# KiCad board q2.kicad_pcb
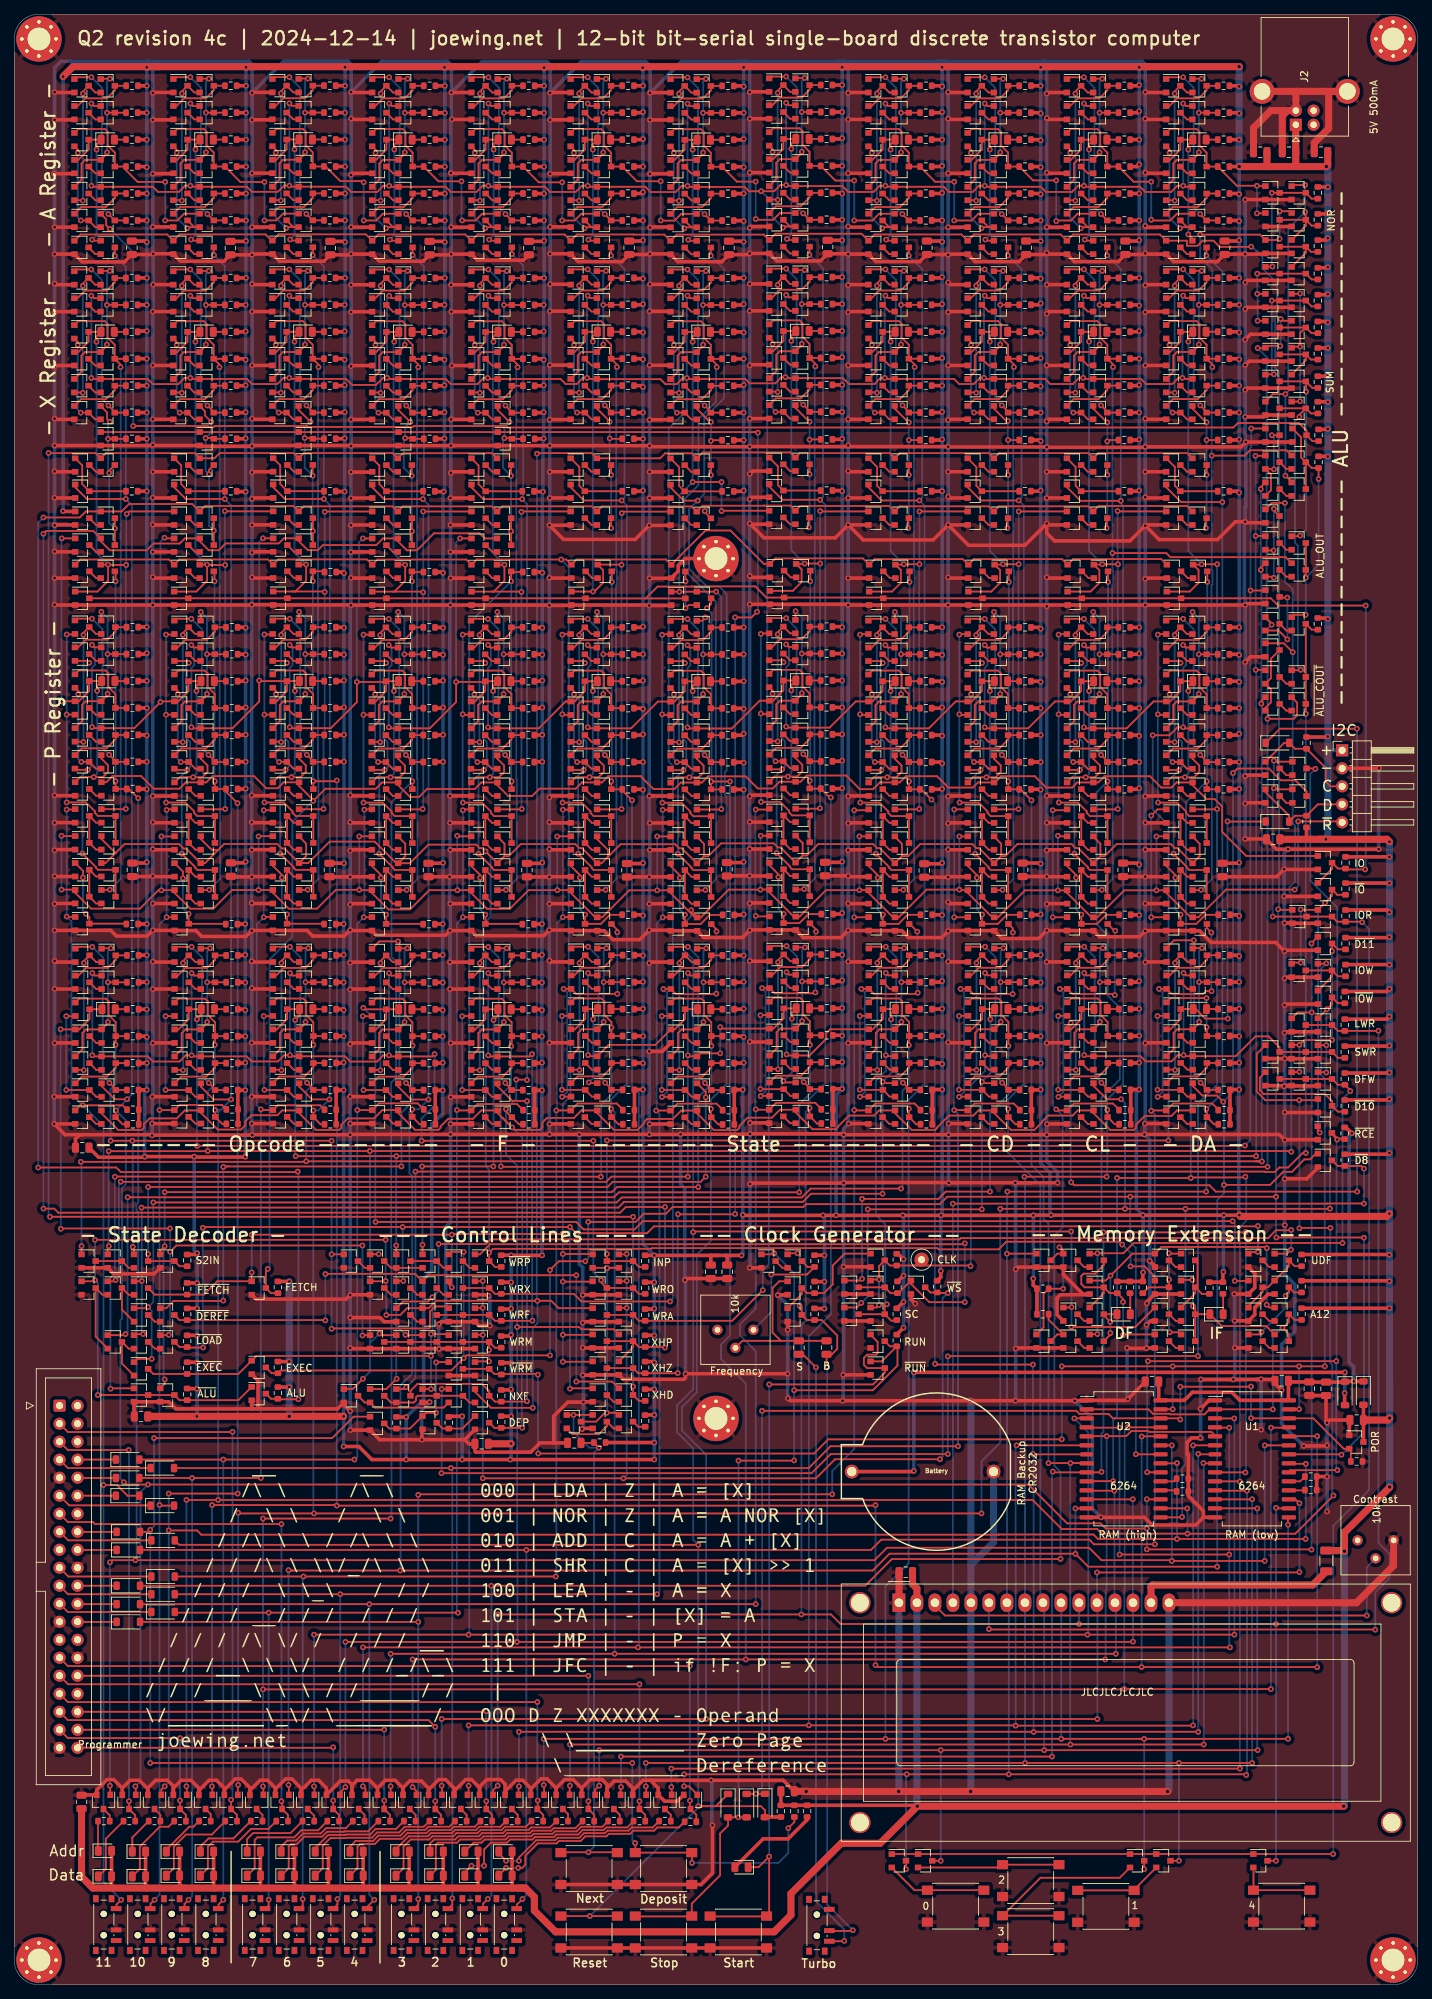
[diagram p0: board, top side]
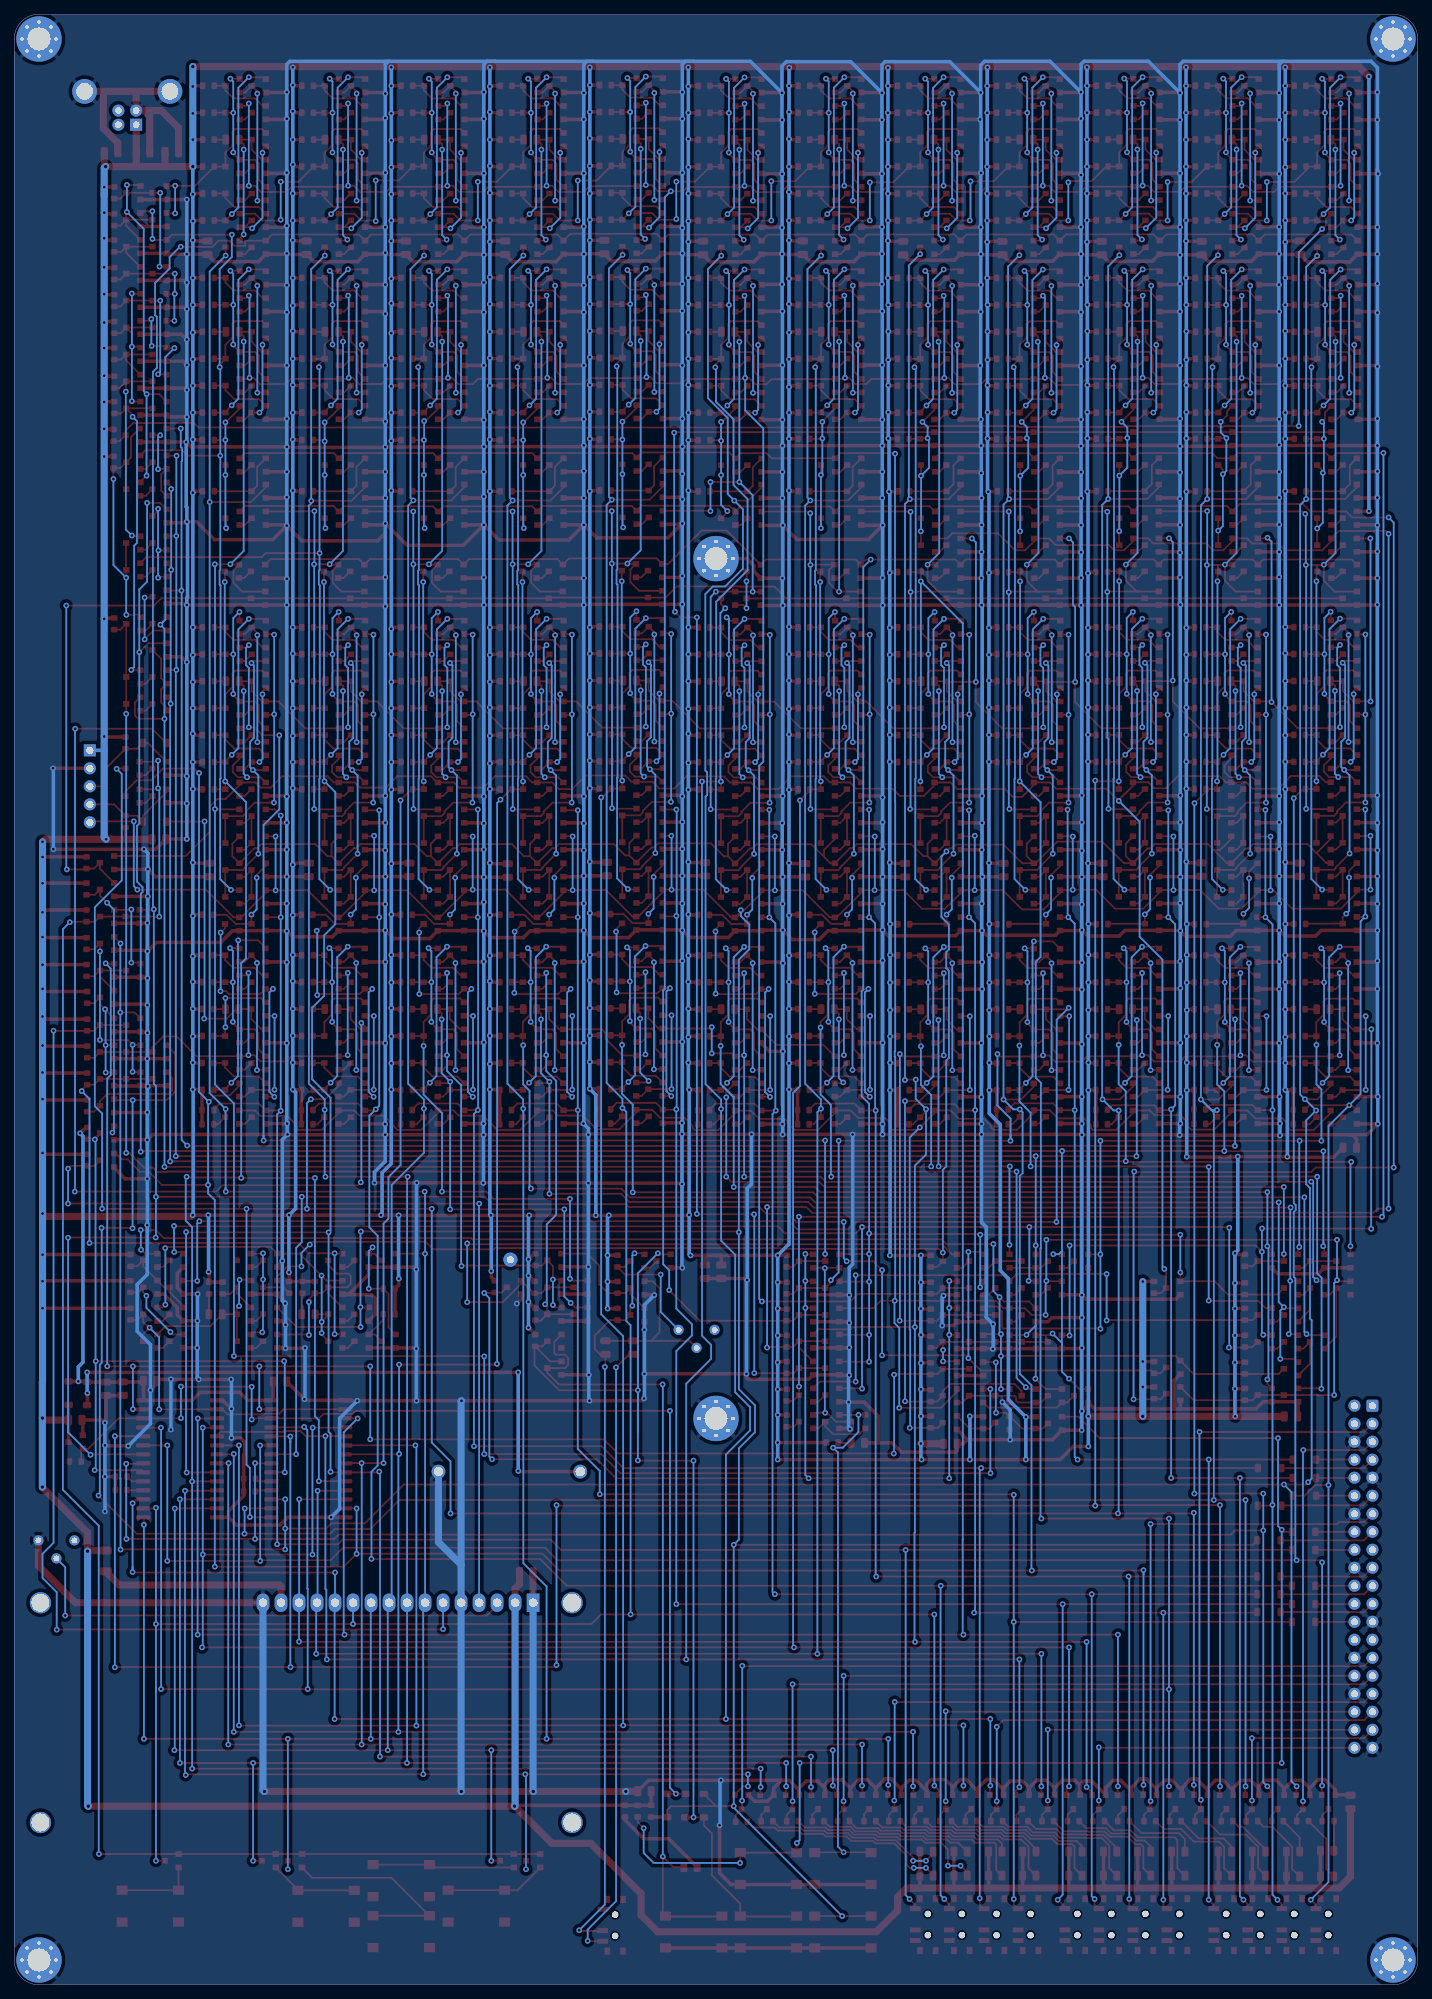
[diagram p1: board, bottom side, seen from below]

Outline 198 x 278 mm; copper layers: Top, Bottom. Coordinates in mm from the lower left corner of the outline.
Outline path: 0,274.5 arc(1.03,276.97) 3.5,278 194.5,278 arc(196.97,276.97) 198,274.5 198,3.5 arc(196.97,1.03) 194.5,0 3.5,0 arc(1.03,1.03) 0,3.5 0,274.5
Stack: Top 0.035mm / dielectric 1.51mm FR4 er 4.5 / Bottom 0.035mm

## Placement (name value [footprint] x y rotation side)
BT1  Battery  [BATTCOM_20MM_PTH]  130 72.4 180 top
C1  0.1u  [C_0805_2012Metric]  16.6 245.05 270 top
C2  0.1u  [C_0805_2012Metric]  30.5 245 270 top
C3  0.1u  [C_0805_2012Metric]  44.6 245 270 top
C4  0.1u  [C_0805_2012Metric]  58.6 245 270 top
C5  0.1u  [C_0805_2012Metric]  72.6 245 270 top
C6  0.1u  [C_0805_2012Metric]  114.75 245.15 270 top
C7  0.1u  [C_0805_2012Metric]  128.75 245.05 270 top
C8  0.1u  [C_0805_2012Metric]  156.75 245.05 270 top
C9  0.1u  [C_0805_2012Metric]  170.75 245.05 270 top
C10  1u  [C_0805_2012Metric]  110.7 89.9 270 top
C11  470p  [C_0805_2012Metric]  114.6 89.9 270 top
C12  0.1u  [C_0805_2012Metric]  160.5 85.1 0 top
C13  0.1u  [C_0805_2012Metric]  178.8 85.2 0 top
C14  1u  [C_0805_2012Metric]  182.69 84.1 90 top
C15  0.1u  [C_0805_2012Metric]  189.38 79.67 0 top
C16  0.1u  [C_0805_2012Metric]  79 76.45 0 top
C17  0.1u  [C_0805_2012Metric]  142.75 245.05 270 top
C18  1u  [C_0805_2012Metric]  9.5 25.8 270 top
C19  1u  [C_0805_2012Metric]  175.77 258.53 0 top
C20  1u  [C_0805_2012Metric]  9.6 118.1 0 top
C21  1u  [C_0805_2012Metric]  109.1 27.3 180 top
C22  0.1u  [C_0805_2012Metric]  100.83 245.03 270 top
C23  0.1u  [C_0805_2012Metric]  86.75 245.05 270 top
C24  470p  [C_0805_2012Metric]  100.58 100.59 90 top
C25  0.1u  [C_0805_2012Metric]  179.83 258.53 180 top
C26  1u  [C_0805_2012Metric]  98.26 100.59 90 top
C27  10u  [C_0805_2012Metric]  184.34 258.54 0 top
C28  0.1u  [C_0805_2012Metric]  125.77 58.21 180 top
C29  1u  [C_0805_2012Metric]  177.6 161.6 0 top
C30  0.1u  [C_0805_2012Metric]  16.67 157.3 270 top
C31  0.1u  [C_0805_2012Metric]  30.57 157.33 270 top
C32  0.1u  [C_0805_2012Metric]  44.47 157.27 270 top
C33  0.1u  [C_0805_2012Metric]  58.44 157.27 270 top
C34  0.1u  [C_0805_2012Metric]  72.33 157.25 270 top
C35  0.1u  [C_0805_2012Metric]  114.38 157.4 270 top
C36  0.1u  [C_0805_2012Metric]  128.38 157.2 270 top
C37  0.1u  [C_0805_2012Metric]  156.43 157.29 270 top
C38  0.1u  [C_0805_2012Metric]  170.43 157.27 270 top
C39  0.1u  [C_0805_2012Metric]  142.26 157.3 270 top
C40  0.1u  [C_0805_2012Metric]  100.54 157.37 270 top
C41  0.1u  [C_0805_2012Metric]  86.44 157.23 270 top
C42  0.1u  [C_0805_2012Metric]  17.9 80.18 180 top
C43  0.1u  [C_0805_2012Metric]  65.94 76.32 180 top
C44  0.1u  [C_0805_2012Metric]  185.05 84.08 90 top
D1  Yellow  [LED_0805_2012Metric]  13.2 260.3 0 top
D2  Yellow  [LED_0805_2012Metric]  13.18 233.19 0 top
D3  Yellow  [LED_0805_2012Metric]  13.27 183.93 0 top
D4  Yellow  [LED_0805_2012Metric]  13.32 137.63 0 top
D5  Yellow  [LED_0805_2012Metric]  27.15 260.31 0 top
D6  Yellow  [LED_0805_2012Metric]  27.14 233.19 0 top
D7  Yellow  [LED_0805_2012Metric]  27.29 183.91 0 top
D8  Yellow  [LED_0805_2012Metric]  27.33 137.62 0 top
D9  Yellow  [LED_0805_2012Metric]  41.12 260.32 0 top
D10  Yellow  [LED_0805_2012Metric]  41.11 233.2 0 top
D11  Yellow  [LED_0805_2012Metric]  41.16 183.92 0 top
D12  Yellow  [LED_0805_2012Metric]  41.19 137.63 0 top
D13  Yellow  [LED_0805_2012Metric]  55.2 260.3 0 top
D14  Yellow  [LED_0805_2012Metric]  55.19 233.18 0 top
D15  Yellow  [LED_0805_2012Metric]  55.14 183.9 0 top
D16  Yellow  [LED_0805_2012Metric]  55.17 137.62 0 top
D17  Yellow  [LED_0805_2012Metric]  69.2 260.3 0 top
D18  Yellow  [LED_0805_2012Metric]  69.19 233.18 0 top
D19  Yellow  [LED_0805_2012Metric]  69.14 183.9 0 top
D20  Yellow  [LED_0805_2012Metric]  69.17 137.62 0 top
D21  Yellow  [LED_0805_2012Metric]  111.2 260.4 0 top
D22  Yellow  [LED_0805_2012Metric]  111.2 184 0 top
D23  Yellow  [LED_0805_2012Metric]  111.2 233.3 0 top
D24  Yellow  [LED_0805_2012Metric]  111.25 137.75 0 top
D25  Yellow  [LED_0805_2012Metric]  125.2 260.3 0 top
D26  Yellow  [LED_0805_2012Metric]  125.2 183.9 0 top
D27  Yellow  [LED_0805_2012Metric]  125.2 233.2 0 top
D28  Yellow  [LED_0805_2012Metric]  125.25 137.65 0 top
D29  Yellow  [LED_0805_2012Metric]  153.2 260.3 0 top
D30  Yellow  [LED_0805_2012Metric]  153.2 183.9 0 top
D31  Yellow  [LED_0805_2012Metric]  153.2 233.2 0 top
D32  Yellow  [LED_0805_2012Metric]  153.25 137.65 0 top
D33  Yellow  [LED_0805_2012Metric]  167.2 260.3 0 top
D34  Yellow  [LED_0805_2012Metric]  167.2 183.9 0 top
D35  Yellow  [LED_0805_2012Metric]  167.2 233.2 0 top
D36  Yellow  [LED_0805_2012Metric]  167.25 137.65 0 top
D37  Yellow  [LED_0805_2012Metric]  102.6 16.6 180 top
D38  BAT43W  [D_SOD-123]  190.32 83.47 270 top
D39  BAT43W  [D_SOD-123]  187.73 83.42 270 top
D40  BAT43W  [D_SOD-123]  100.7 25.27 270 top
D41  BAT43W  [D_SOD-123]  16 69 0 top
D42  BAT43W  [D_SOD-123]  20.9 67.6 0 top
D43  BAT43W  [D_SOD-123]  16 71.5 0 top
D44  BAT43W  [D_SOD-123]  16 74.1 0 top
D45  BAT43W  [D_SOD-123]  20.9 72.9 0 top
D46  BAT43W  [D_SOD-123]  16.1 51.2 0 top
D47  BAT43W  [D_SOD-123]  16.1 53.7 0 top
D48  BAT43W  [D_SOD-123]  21 55.1 0 top
D49  BAT43W  [D_SOD-123]  21 62.7 0 top
D50  BAT43W  [D_SOD-123]  16.1 63.9 0 top
D51  BAT43W  [D_SOD-123]  16.1 61.35 0 top
D52  BAT43W  [D_SOD-123]  16.1 56.3 0 top
D53  BAT43W  [D_SOD-123]  21 52.6 0 top
D54  BAT43W  [D_SOD-123]  21 57.6 0 top
D55  Yellow  [LED_0805_2012Metric]  139.2 260.3 0 top
D56  Yellow  [LED_0805_2012Metric]  139.2 183.9 0 top
D57  Yellow  [LED_0805_2012Metric]  139.2 233.2 0 top
D58  Yellow  [LED_0805_2012Metric]  139.25 137.65 0 top
D59  BAT43W  [D_SOD-123]  178.2 164.1 0 top
D60  BAT43W  [D_SOD-123]  178.2 175.2 0 top
D61  Yellow  [LED_0805_2012Metric]  97.28 260.28 0 top
D62  Yellow  [LED_0805_2012Metric]  97.28 183.88 0 top
D63  Yellow  [LED_0805_2012Metric]  97.28 233.18 0 top
D64  Yellow  [LED_0805_2012Metric]  97.33 137.63 0 top
D65  Yellow  [LED_0805_2012Metric]  83.2 260.3 0 top
D66  Yellow  [LED_0805_2012Metric]  83.2 183.9 0 top
D67  Yellow  [LED_0805_2012Metric]  83.2 233.2 0 top
D68  Yellow  [LED_0805_2012Metric]  83.25 137.65 0 top
D69  Yellow  [LED_0805_2012Metric]  12.8 18.9 0 top
D70  Yellow  [LED_0805_2012Metric]  17.6 18.8 0 top
D71  Yellow  [LED_0805_2012Metric]  22.4 18.8 0 top
D72  Yellow  [LED_0805_2012Metric]  27.2 18.8 0 top
D73  Yellow  [LED_0805_2012Metric]  43.4 18.8 0 top
D74  Yellow  [LED_0805_2012Metric]  48.3 18.8 0 top
D75  Yellow  [LED_0805_2012Metric]  54.8 18.8 0 top
D76  Yellow  [LED_0805_2012Metric]  33.8 18.8 0 top
D77  Yellow  [LED_0805_2012Metric]  38.6 18.8 0 top
D78  Yellow  [LED_0805_2012Metric]  59.6 18.8 0 top
D79  Yellow  [LED_0805_2012Metric]  64.5 18.8 0 top
D80  Yellow  [LED_0805_2012Metric]  69.3 18.8 0 top
D81  Yellow  [LED_0805_2012Metric]  12.8 15.3 0 top
D82  Yellow  [LED_0805_2012Metric]  17.6 15.3 0 top
D83  Yellow  [LED_0805_2012Metric]  22.4 15.4 0 top
D84  Yellow  [LED_0805_2012Metric]  27.2 15.4 0 top
D85  Yellow  [LED_0805_2012Metric]  33.8 15.4 0 top
D86  Yellow  [LED_0805_2012Metric]  38.6 15.4 0 top
D87  Yellow  [LED_0805_2012Metric]  43.4 15.4 0 top
D88  Yellow  [LED_0805_2012Metric]  48.3 15.4 0 top
D89  Yellow  [LED_0805_2012Metric]  54.8 15.4 0 top
D90  Yellow  [LED_0805_2012Metric]  59.6 15.4 0 top
D91  Yellow  [LED_0805_2012Metric]  64.5 15.4 0 top
D92  Yellow  [LED_0805_2012Metric]  69.3 15.4 0 top
D93  BAT43W  [D_SOD-123]  103.33 25.27 270 top
D94  BAT43W  [D_SOD-123]  105.9 25.3 270 top
D95  Yellow  [LED_0805_2012Metric]  169.6 94.6 0 top
D96  Yellow  [LED_0805_2012Metric]  156.5 94.6 0 top
DS1  -  [WC1602A]  124.8 53.9 0 top
G***  LOGO  [q2-logo]  67.38 50.88 0 top
H1  MountingHole_Pad  [MountingHole_3.2mm_M3_Pad_Via]  99 79.9 0 top
H2  MountingHole_Pad  [MountingHole_3.2mm_M3_Pad_Via]  3.5 274.5 0 top
H3  MountingHole_Pad  [MountingHole_3.2mm_M3_Pad_Via]  3.5 3.5 0 top
H4  MountingHole_Pad  [MountingHole_3.2mm_M3_Pad_Via]  194.5 274.5 0 top
H5  MountingHole_Pad  [MountingHole_3.2mm_M3_Pad_Via]  194.5 3.5 0 top
H6  MountingHole_Pad  [MountingHole_3.2mm_M3_Pad_Via]  99 201.2 0 top
J1  Programmer  [IDC-Header_2x20_P2.54mm_Vertical]  6.4 81.7 0 top
J2  USB_B  [USB_B_OST_USB-B1HSxx_Horizontal]  180.8 262.4 90 top
J3  I2C  [PinHeader_1x05_P2.54mm_Horizontal]  187.32 174.15 0 top
Q1  2N7002  [SOT-23]  13.3 122.4 0 top
Q2  2N7002K  [SOT-23]  9.6 122.4 0 top
Q3  2N7002  [SOT-23]  13.2 245.1 0 top
Q4  2N7002  [SOT-23]  9.5 245.1 0 top
Q5  2N7002  [SOT-23]  13.2 267.9 0 top
Q6  2N7002  [SOT-23]  13.2 256.5 0 top
Q7  2N7002  [SOT-23]  9.5 256.5 0 top
Q8  2N7002  [SOT-23]  9.5 267.9 0 top
Q9  2N7002  [SOT-23]  13.2 264.1 0 top
Q10  2N7002  [SOT-23]  13.2 252.7 0 top
Q11  2N7002  [SOT-23]  9.5 260.3 0 top
Q12  2N7002  [SOT-23]  9.5 264.1 0 top
Q13  2N7002  [SOT-23]  9.5 252.7 0 top
Q14  2N7002  [SOT-23]  13.2 248.9 0 top
Q15  2N7002  [SOT-23]  9.5 248.9 0 top
Q16  2N7002  [SOT-23]  13.2 199.4 0 top
Q17  2N7002  [SOT-23]  13.2 218.1 0 top
Q18  2N7002  [SOT-23]  13.2 203.1 0 top
Q19  2N7002  [SOT-23]  13.2 206.9 0 top
Q20  2N7002  [SOT-23]  13.2 214.4 0 top
Q21  2N7002  [SOT-23]  9.6 199.4 0 top
Q22  2N7002  [SOT-23]  9.6 203.1 0 top
Q23  2N7002  [SOT-23]  9.6 206.9 0 top
Q24  2N7002  [SOT-23]  9.6 214.4 0 top
Q25  2N7002  [SOT-23]  9.6 195.6 0 top
Q26  2N7002  [SOT-23]  9.6 210.7 0 top
Q27  2N7002  [SOT-23]  13.18 240.79 0 top
Q28  2N7002  [SOT-23]  13.18 229.39 0 top
Q29  2N7002  [SOT-23]  9.48 229.39 0 top
Q30  2N7002  [SOT-23]  9.48 240.79 0 top
Q31  2N7002  [SOT-23]  13.18 236.99 0 top
Q32  2N7002  [SOT-23]  13.18 225.59 0 top
Q33  2N7002  [SOT-23]  9.48 233.19 0 top
Q34  2N7002  [SOT-23]  9.48 236.99 0 top
Q35  2N7002  [SOT-23]  9.48 225.59 0 top
Q36  2N7002  [SOT-23]  13.18 221.79 0 top
Q37  2N7002  [SOT-23]  9.48 221.79 0 top
Q38  2N7002  [SOT-23]  13.3 168.7 0 top
Q39  2N7002  [SOT-23]  9.6 168.7 0 top
Q40  2N7002  [SOT-23]  13.3 157.3 0 top
Q41  2N7002  [SOT-23]  13.3 153.5 0 top
Q42  2N7002  [SOT-23]  13.3 161.1 0 top
Q43  2N7002  [SOT-23]  13.3 164.9 0 top
Q44  2N7002K  [SOT-23]  9.6 153.5 0 top
Q45  2N7002  [SOT-23]  9.6 157.3 0 top
Q46  2N7002K  [SOT-23]  9.6 161.1 0 top
Q47  2N7002K  [SOT-23]  9.6 164.9 0 top
Q48  2N7002K  [SOT-23]  9.6 149.7 0 top
Q49  2N7002  [SOT-23]  13.27 191.53 0 top
Q50  2N7002  [SOT-23]  13.27 180.13 0 top
Q51  2N7002  [SOT-23]  9.57 180.13 0 top
Q52  2N7002  [SOT-23]  9.57 191.53 0 top
Q53  2N7002  [SOT-23]  13.27 187.73 0 top
Q54  2N7002  [SOT-23]  13.27 176.33 0 top
Q55  2N7002  [SOT-23]  9.57 183.93 0 top
Q56  2N7002  [SOT-23]  9.57 187.73 0 top
Q57  2N7002  [SOT-23]  9.57 176.33 0 top
Q58  2N7002  [SOT-23]  13.27 172.53 0 top
Q59  2N7002  [SOT-23]  9.57 172.53 0 top
Q60  2N7002  [SOT-23]  13.32 145.23 0 top
Q61  2N7002  [SOT-23]  13.32 133.83 0 top
Q62  2N7002  [SOT-23]  9.62 133.83 0 top
Q63  2N7002  [SOT-23]  9.62 145.23 0 top
Q64  2N7002  [SOT-23]  13.32 141.43 0 top
Q65  2N7002  [SOT-23]  13.32 130.03 0 top
Q66  2N7002  [SOT-23]  9.62 137.63 0 top
Q67  2N7002  [SOT-23]  9.62 141.43 0 top
Q68  2N7002  [SOT-23]  9.62 130.03 0 top
Q69  2N7002  [SOT-23]  13.32 126.23 0 top
Q70  2N7002  [SOT-23]  9.62 126.23 0 top
Q71  2N7002  [SOT-23]  27.35 122.45 0 top
Q72  2N7002K  [SOT-23]  23.6 122.45 0 top
Q73  2N7002  [SOT-23]  27.15 245.11 0 top
Q74  2N7002  [SOT-23]  23.45 245.11 0 top
Q75  2N7002  [SOT-23]  27.15 267.91 0 top
Q76  2N7002  [SOT-23]  27.15 256.51 0 top
Q77  2N7002  [SOT-23]  23.45 256.51 0 top
Q78  2N7002  [SOT-23]  23.45 267.91 0 top
Q79  2N7002  [SOT-23]  27.15 264.11 0 top
Q80  2N7002  [SOT-23]  27.15 252.71 0 top
Q81  2N7002  [SOT-23]  23.45 260.31 0 top
Q82  2N7002  [SOT-23]  23.45 264.11 0 top
Q83  2N7002  [SOT-23]  23.45 252.71 0 top
Q84  2N7002  [SOT-23]  27.15 248.91 0 top
Q85  2N7002  [SOT-23]  23.45 248.91 0 top
Q86  2N7002  [SOT-23]  27.16 199.4 0 top
Q87  2N7002  [SOT-23]  27.16 218.1 0 top
Q88  2N7002  [SOT-23]  27.16 203.1 0 top
Q89  2N7002  [SOT-23]  27.16 206.9 0 top
Q90  2N7002  [SOT-23]  27.16 214.4 0 top
Q91  2N7002  [SOT-23]  23.56 199.4 0 top
Q92  2N7002  [SOT-23]  23.56 203.1 0 top
Q93  2N7002  [SOT-23]  23.56 206.9 0 top
Q94  2N7002  [SOT-23]  23.56 214.4 0 top
Q95  2N7002  [SOT-23]  23.56 195.6 0 top
Q96  2N7002  [SOT-23]  23.56 210.7 0 top
Q97  2N7002  [SOT-23]  27.14 240.79 0 top
Q98  2N7002  [SOT-23]  27.14 229.39 0 top
Q99  2N7002  [SOT-23]  23.44 229.39 0 top
Q100  2N7002  [SOT-23]  23.44 240.79 0 top
Q101  2N7002  [SOT-23]  27.14 236.99 0 top
Q102  2N7002  [SOT-23]  27.14 225.59 0 top
Q103  2N7002  [SOT-23]  23.44 233.19 0 top
Q104  2N7002  [SOT-23]  23.44 236.99 0 top
Q105  2N7002  [SOT-23]  23.44 225.59 0 top
Q106  2N7002  [SOT-23]  27.14 221.79 0 top
Q107  2N7002  [SOT-23]  23.44 221.79 0 top
Q108  2N7002  [SOT-23]  27.32 168.68 0 top
Q109  2N7002  [SOT-23]  23.62 168.68 0 top
Q110  2N7002  [SOT-23]  27.32 157.28 0 top
Q111  2N7002  [SOT-23]  27.32 153.48 0 top
Q112  2N7002  [SOT-23]  27.32 161.08 0 top
Q113  2N7002  [SOT-23]  27.32 164.88 0 top
Q114  2N7002K  [SOT-23]  23.62 153.48 0 top
Q115  2N7002  [SOT-23]  23.62 157.28 0 top
Q116  2N7002K  [SOT-23]  23.62 161.08 0 top
Q117  2N7002K  [SOT-23]  23.62 164.88 0 top
Q118  2N7002K  [SOT-23]  23.62 149.68 0 top
Q119  2N7002  [SOT-23]  27.29 191.51 0 top
Q120  2N7002  [SOT-23]  27.29 180.11 0 top
Q121  2N7002  [SOT-23]  23.59 180.11 0 top
Q122  2N7002  [SOT-23]  23.59 191.51 0 top
Q123  2N7002  [SOT-23]  27.29 187.71 0 top
Q124  2N7002  [SOT-23]  27.29 176.31 0 top
Q125  2N7002  [SOT-23]  23.59 183.91 0 top
Q126  2N7002  [SOT-23]  23.59 187.71 0 top
Q127  2N7002  [SOT-23]  23.59 176.31 0 top
Q128  2N7002  [SOT-23]  27.29 172.51 0 top
Q129  2N7002  [SOT-23]  23.59 172.51 0 top
Q130  2N7002  [SOT-23]  27.33 145.22 0 top
Q131  2N7002  [SOT-23]  27.33 133.82 0 top
Q132  2N7002  [SOT-23]  23.62 133.82 0 top
Q133  2N7002  [SOT-23]  23.62 145.22 0 top
Q134  2N7002  [SOT-23]  27.33 141.42 0 top
Q135  2N7002  [SOT-23]  27.33 130.02 0 top
Q136  2N7002  [SOT-23]  23.62 137.62 0 top
Q137  2N7002  [SOT-23]  23.62 141.42 0 top
Q138  2N7002  [SOT-23]  23.62 130.02 0 top
Q139  2N7002  [SOT-23]  27.33 126.22 0 top
Q140  2N7002  [SOT-23]  23.62 126.22 0 top
Q141  2N7002  [SOT-23]  41.2 122.4 0 top
Q142  2N7002K  [SOT-23]  37.5 122.45 0 top
Q143  2N7002  [SOT-23]  41.12 245.12 0 top
Q144  2N7002  [SOT-23]  37.42 245.12 0 top
Q145  2N7002  [SOT-23]  41.12 267.92 0 top
Q146  2N7002  [SOT-23]  41.12 256.52 0 top
Q147  2N7002  [SOT-23]  37.42 256.52 0 top
Q148  2N7002  [SOT-23]  37.42 267.92 0 top
Q149  2N7002  [SOT-23]  41.12 264.12 0 top
Q150  2N7002  [SOT-23]  41.12 252.72 0 top
Q151  2N7002  [SOT-23]  37.42 260.32 0 top
Q152  2N7002  [SOT-23]  37.42 264.12 0 top
Q153  2N7002  [SOT-23]  37.42 252.72 0 top
Q154  2N7002  [SOT-23]  41.12 248.92 0 top
Q155  2N7002  [SOT-23]  37.42 248.92 0 top
Q156  2N7002  [SOT-23]  41.13 199.41 0 top
Q157  2N7002  [SOT-23]  41.13 218.11 0 top
Q158  2N7002  [SOT-23]  41.13 203.11 0 top
Q159  2N7002  [SOT-23]  41.13 206.91 0 top
Q160  2N7002  [SOT-23]  41.13 214.41 0 top
Q161  2N7002  [SOT-23]  37.53 199.41 0 top
Q162  2N7002  [SOT-23]  37.53 203.11 0 top
Q163  2N7002  [SOT-23]  37.53 206.91 0 top
Q164  2N7002  [SOT-23]  37.53 214.41 0 top
Q165  2N7002  [SOT-23]  37.53 195.61 0 top
Q166  2N7002  [SOT-23]  37.53 210.71 0 top
Q167  2N7002  [SOT-23]  41.11 240.8 0 top
Q168  2N7002  [SOT-23]  41.11 229.4 0 top
Q169  2N7002  [SOT-23]  37.41 229.4 0 top
Q170  2N7002  [SOT-23]  37.41 240.8 0 top
Q171  2N7002  [SOT-23]  41.11 237 0 top
Q172  2N7002  [SOT-23]  41.11 225.6 0 top
Q173  2N7002  [SOT-23]  37.41 233.2 0 top
Q174  2N7002  [SOT-23]  37.41 237 0 top
Q175  2N7002  [SOT-23]  37.41 225.6 0 top
Q176  2N7002  [SOT-23]  41.11 221.8 0 top
Q177  2N7002  [SOT-23]  37.41 221.8 0 top
Q178  2N7002  [SOT-23]  41.19 168.69 0 top
Q179  2N7002  [SOT-23]  37.49 168.69 0 top
Q180  2N7002  [SOT-23]  41.19 157.29 0 top
Q181  2N7002  [SOT-23]  41.19 153.49 0 top
Q182  2N7002  [SOT-23]  41.19 161.09 0 top
Q183  2N7002  [SOT-23]  41.19 164.89 0 top
Q184  2N7002K  [SOT-23]  37.49 153.49 0 top
Q185  2N7002  [SOT-23]  37.49 157.29 0 top
Q186  2N7002K  [SOT-23]  37.49 161.09 0 top
Q187  2N7002K  [SOT-23]  37.49 164.89 0 top
Q188  2N7002K  [SOT-23]  37.49 149.69 0 top
Q189  2N7002  [SOT-23]  41.16 191.52 0 top
Q190  2N7002  [SOT-23]  41.16 180.12 0 top
Q191  2N7002  [SOT-23]  37.46 180.12 0 top
Q192  2N7002  [SOT-23]  37.46 191.52 0 top
Q193  2N7002  [SOT-23]  41.16 187.72 0 top
Q194  2N7002  [SOT-23]  41.16 176.32 0 top
Q195  2N7002  [SOT-23]  37.46 183.92 0 top
Q196  2N7002  [SOT-23]  37.46 187.72 0 top
Q197  2N7002  [SOT-23]  37.46 176.32 0 top
Q198  2N7002  [SOT-23]  41.16 172.52 0 top
Q199  2N7002  [SOT-23]  37.46 172.52 0 top
Q200  2N7002  [SOT-23]  41.19 145.23 0 top
Q201  2N7002  [SOT-23]  41.19 133.83 0 top
Q202  2N7002  [SOT-23]  37.49 133.83 0 top
Q203  2N7002  [SOT-23]  37.49 145.23 0 top
Q204  2N7002  [SOT-23]  41.19 141.43 0 top
Q205  2N7002  [SOT-23]  41.19 130.03 0 top
Q206  2N7002  [SOT-23]  37.49 137.63 0 top
Q207  2N7002  [SOT-23]  37.49 141.43 0 top
Q208  2N7002  [SOT-23]  37.49 130.03 0 top
Q209  2N7002  [SOT-23]  41.19 126.23 0 top
Q210  2N7002  [SOT-23]  37.49 126.23 0 top
Q211  2N7002  [SOT-23]  55.15 122.45 0 top
Q212  2N7002K  [SOT-23]  51.5 122.45 0 top
Q213  2N7002  [SOT-23]  55.2 245.1 0 top
Q214  2N7002  [SOT-23]  51.5 245.1 0 top
Q215  2N7002  [SOT-23]  55.2 267.9 0 top
Q216  2N7002  [SOT-23]  55.2 256.5 0 top
Q217  2N7002  [SOT-23]  51.5 256.5 0 top
Q218  2N7002  [SOT-23]  51.5 267.9 0 top
Q219  2N7002  [SOT-23]  55.2 264.1 0 top
Q220  2N7002  [SOT-23]  55.2 252.7 0 top
Q221  2N7002  [SOT-23]  51.5 260.3 0 top
Q222  2N7002  [SOT-23]  51.5 264.1 0 top
Q223  2N7002  [SOT-23]  51.5 252.7 0 top
Q224  2N7002  [SOT-23]  55.2 248.9 0 top
Q225  2N7002  [SOT-23]  51.5 248.9 0 top
Q226  2N7002  [SOT-23]  55.11 199.39 0 top
Q227  2N7002  [SOT-23]  55.21 218.09 0 top
Q228  2N7002  [SOT-23]  55.11 203.09 0 top
Q229  2N7002  [SOT-23]  55.11 206.89 0 top
Q230  2N7002  [SOT-23]  55.11 214.39 0 top
Q231  2N7002  [SOT-23]  51.51 199.39 0 top
Q232  2N7002  [SOT-23]  51.51 203.09 0 top
Q233  2N7002  [SOT-23]  51.51 206.89 0 top
Q234  2N7002  [SOT-23]  51.51 214.39 0 top
Q235  2N7002  [SOT-23]  51.51 195.59 0 top
Q236  2N7002  [SOT-23]  51.51 210.69 0 top
Q237  2N7002  [SOT-23]  55.19 240.78 0 top
Q238  2N7002  [SOT-23]  55.19 229.38 0 top
Q239  2N7002  [SOT-23]  51.49 229.38 0 top
Q240  2N7002  [SOT-23]  51.49 240.78 0 top
Q241  2N7002  [SOT-23]  55.19 236.98 0 top
Q242  2N7002  [SOT-23]  55.19 225.58 0 top
Q243  2N7002  [SOT-23]  51.49 233.18 0 top
Q244  2N7002  [SOT-23]  51.49 236.98 0 top
Q245  2N7002  [SOT-23]  51.49 225.58 0 top
Q246  2N7002  [SOT-23]  55.19 221.78 0 top
Q247  2N7002  [SOT-23]  51.49 221.78 0 top
Q248  2N7002  [SOT-23]  55.17 168.67 0 top
Q249  2N7002  [SOT-23]  51.47 168.67 0 top
Q250  2N7002  [SOT-23]  55.17 157.27 0 top
Q251  2N7002  [SOT-23]  55.17 153.47 0 top
Q252  2N7002  [SOT-23]  55.17 161.07 0 top
Q253  2N7002  [SOT-23]  55.17 164.87 0 top
Q254  2N7002K  [SOT-23]  51.47 153.47 0 top
Q255  2N7002  [SOT-23]  51.47 157.27 0 top
Q256  2N7002K  [SOT-23]  51.47 161.07 0 top
Q257  2N7002K  [SOT-23]  51.47 164.87 0 top
Q258  2N7002K  [SOT-23]  51.47 149.67 0 top
Q259  2N7002  [SOT-23]  55.14 191.5 0 top
Q260  2N7002  [SOT-23]  55.14 180.1 0 top
Q261  2N7002  [SOT-23]  51.44 180.1 0 top
Q262  2N7002  [SOT-23]  51.44 191.5 0 top
Q263  2N7002  [SOT-23]  55.14 187.7 0 top
Q264  2N7002  [SOT-23]  55.14 176.3 0 top